# Altium PCB MU_MP_39_V1_ASMB.PcbDoc (part 4 of 15)
Units mm, origin at the board's own origin, x right, y up, seen from the top; angles counter-clockwise.
Board outline 133 x 94 mm, 8 copper layers (Top Layer, GND_1, POWER_1, POWER_2, GND_2, Inner_Layer, GND_3, Bottom Layer), stack 1.468 mm thick; 934 components, 729 nets, 4006 pads, 2645 vias.
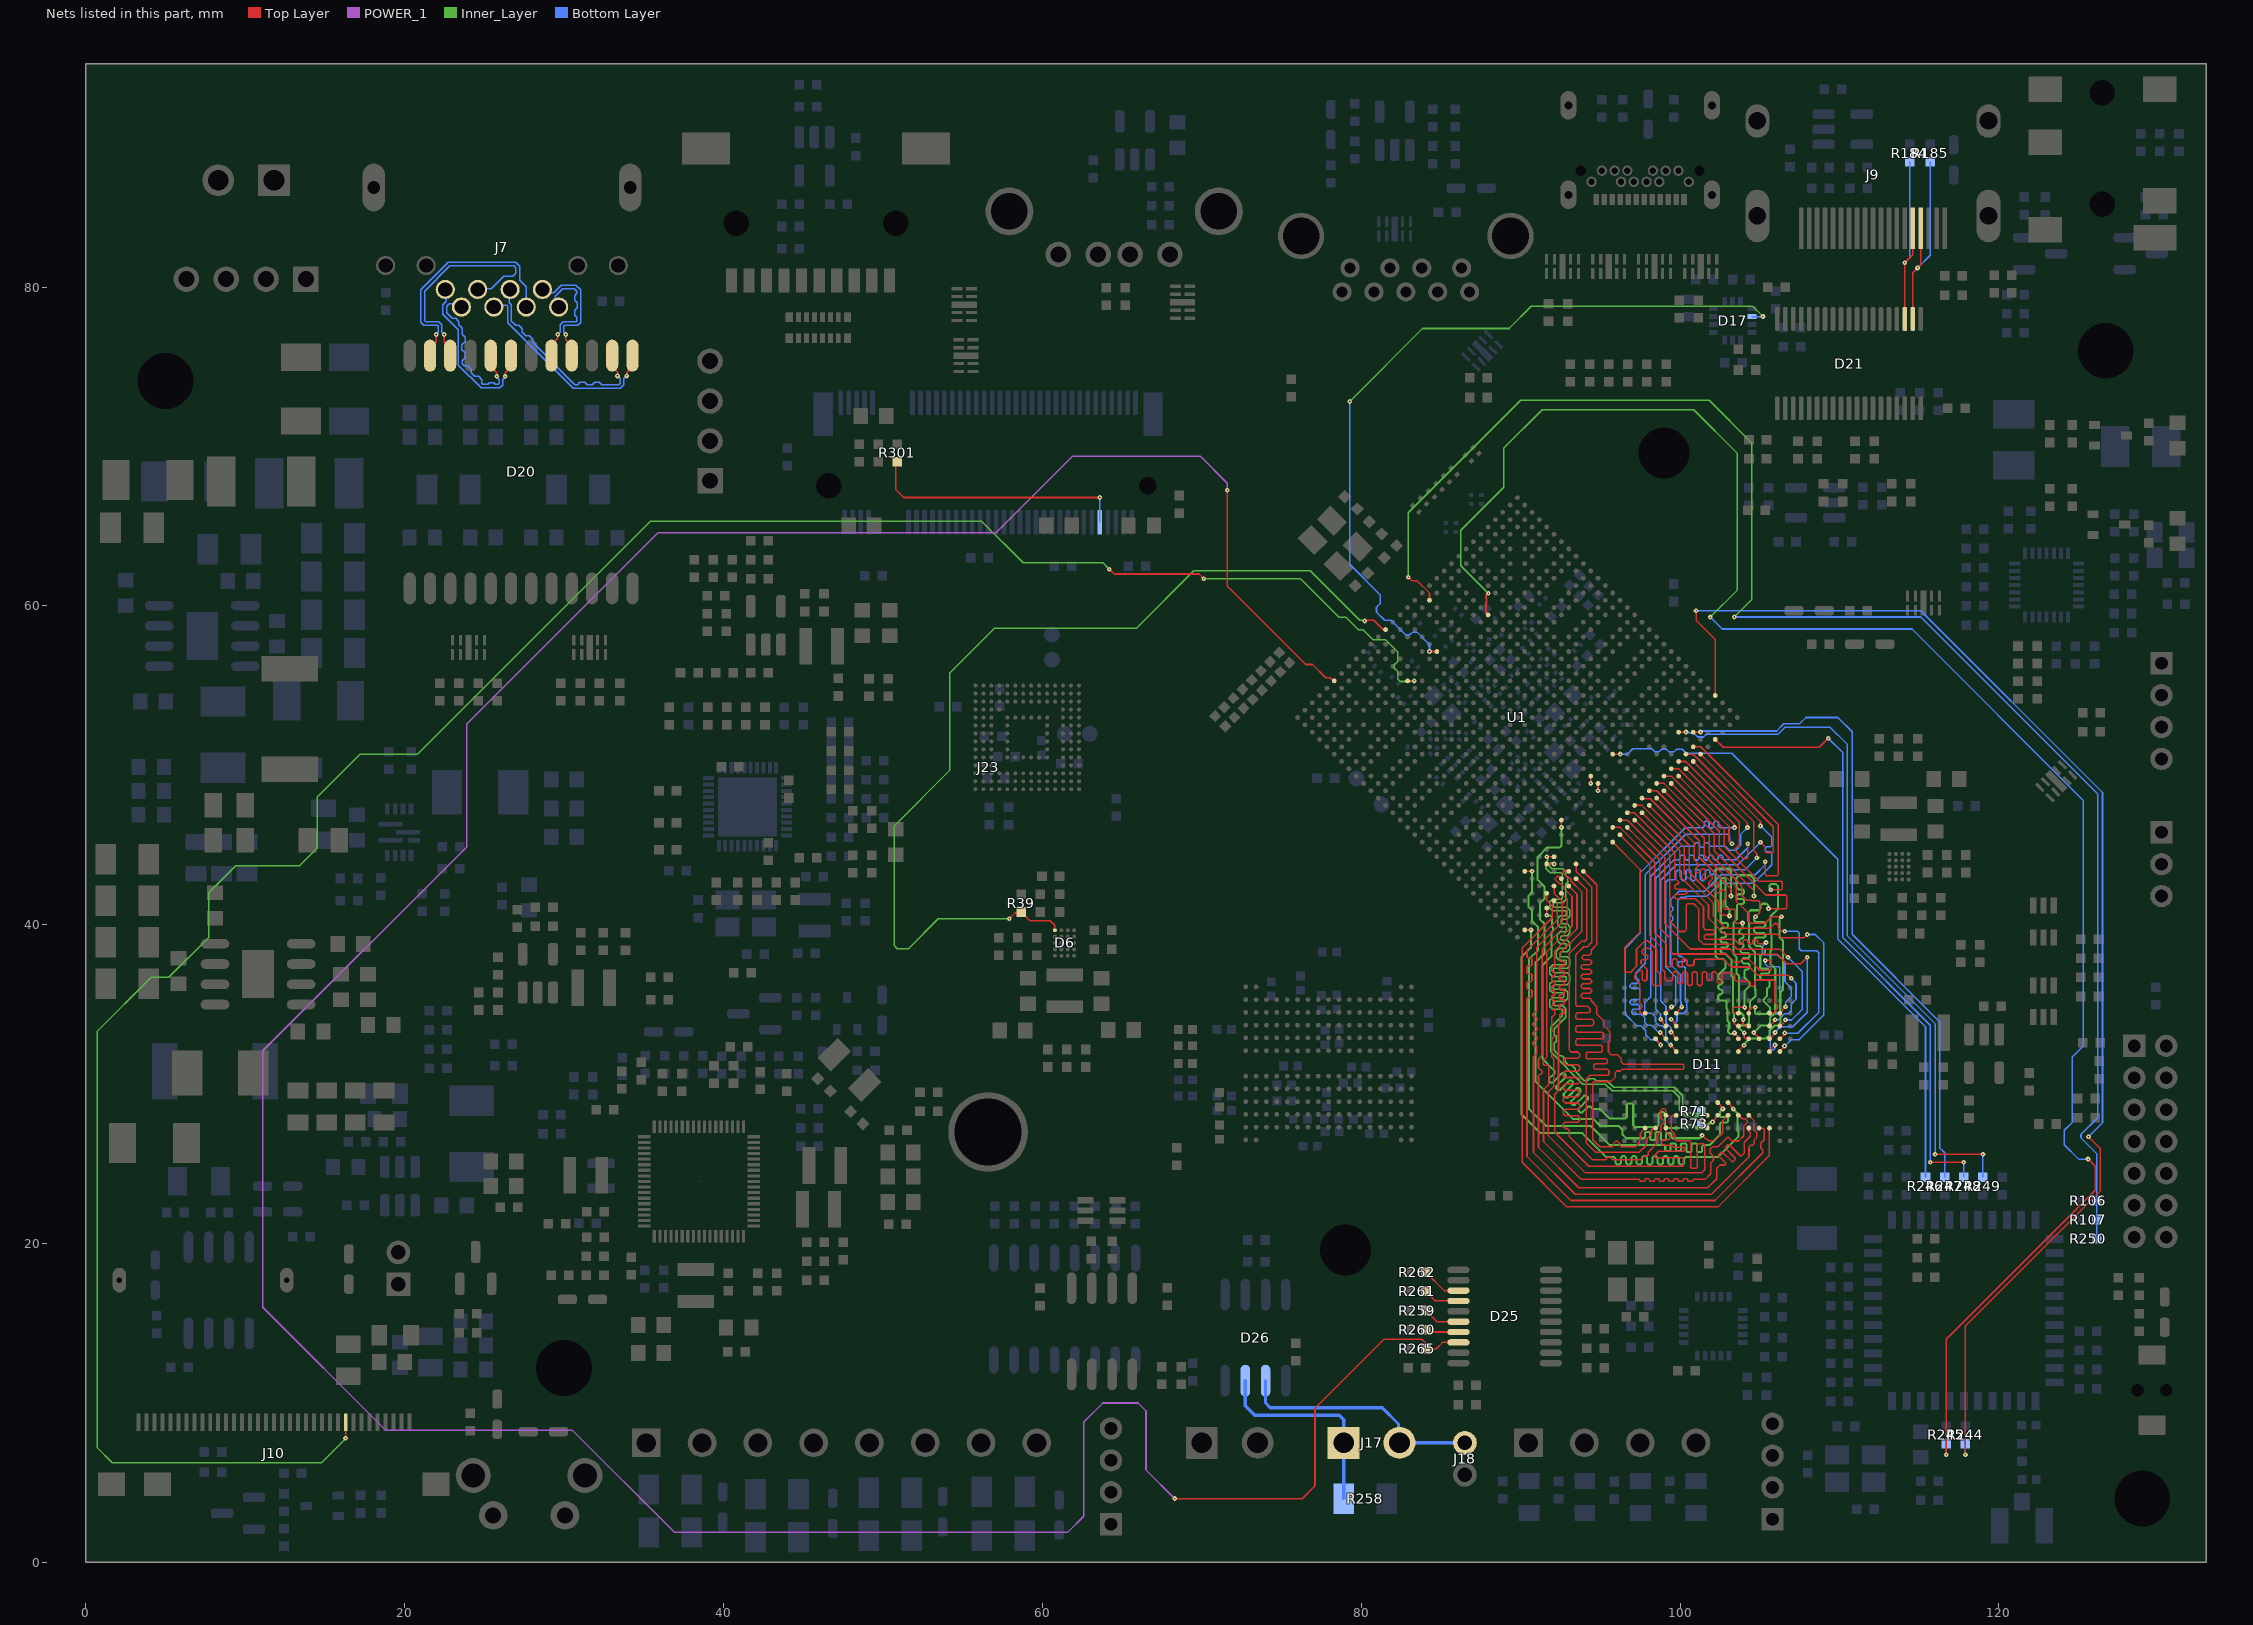
[diagram p10: the nets of this part, all layers, seen from the top]

## Via types
v1: diameter 0.3, hole 0.1, Top Layer to Bottom Layer, tented both sides, 1670 vias
v2: diameter 0.4, hole 0.2, Top Layer to Bottom Layer, tented both sides, 843 vias
v3: diameter 0.6, hole 0.3, Top Layer to Bottom Layer, tented both sides, 132 vias

## Nets (pads, with @x,y where several pads share a name; then routed paths per layer and width w, separated by ;. In a path a pad name is that pad's centre, name@x,y a point inside that pad or via, vN(x,y) a via of type N, cw(c..) or ccw(c..) an arc to the next point about the centre after c; other vN are vias at no path point) (continued)
BL_EN: J10.27 U1.L26 | length 148.9
  Top Layer w0.1: v1(16.288,7.788) 16.3,7.8 J10.27@16.3,8.8 ; U1.L26@82.906,55.298 v1(83.323,55.298)
  Top Layer w0.102: v1(64.2,62.3) 64.5,62 69.825,62 v1(70.125,61.7)
  Inner_Layer w0.1: v1(16.288,7.788) 16.288,7.763 14.775,6.25 1.65,6.25 0.7,7.2 0.7,33.3 4.1,36.7 5.2,36.7 7.7,39.2 7.7,42 9.4,43.7 13.4,43.7 14.5,44.8 14.5,48 17.2,50.7 20.8,50.7 35.4,65.3 56.2,65.3 58.8,62.7 63.8,62.7 v1(64.2,62.3)
  Inner_Layer w0.102: v1(70.125,61.7) 76.191,61.7 78.592,59.299 79.03,59.299 79.83,58.5 80.11,58.5 80.733,57.877 81.525,57.877 82.29,57.112 82.29,56.513 82.078,56.302 82.078,56.094 82.29,55.883 82.29,55.41 82.442,55.258 83.116,55.258 83.127,55.269 83.294,55.269 v1(83.323,55.298)
BT_HOST_WAKE_L: R245.1 U1.AA25 | length 115.6
  Top Layer w0.1: v1(116.7,6.75) 116.7,14 126.05,23.35 126.05,24.85 v1(125.6,25.3)
  Top Layer w0.11: U1.AA25@87.962,59.435 87.962,59.47 87.822,59.609 87.822,60.176 87.862,60.216 87.862,60.468 87.822,60.509 87.822,60.638 87.971,60.788 v1(87.971,60.798)
  Inner_Layer w0.1: v1(87.971,60.798) 86.251,62.518 86.251,64.751 88.95,67.45 88.95,69.9 91.35,72.3 100.854,72.3 103.6,69.554 103.6,61 v1(101.9,59.3)
  Bottom Layer w0.1: v1(101.9,59.3) 102.65,58.55 114.55,58.55 125.3,47.8 125.3,37.7 125.3,32.4 124.6,31.7 124.6,27.6 124.1,27.1 124.1,26.2 125,25.3 v1(125.6,25.3) ; v1(116.7,6.75) R245.1@116.7,7.45
BT_PCM_CLK: R247.1 U1.AG3 | length 41.1
  Top Layer w0.1: U1.AG3@100.831,52.081 101.288,52.081 v1(101.29,52.082)
  Bottom Layer w0.1: v1(101.29,52.082) 101.344,52.082 101.412,52.15 106.05,52.15 106.5,52.6 107.5,52.6 107.9,53 109.9,53 110.8,52.1 110.8,39.4 116.3,33.9 116.3,26 116.6,25.7 116.6,24.7 R247.1@116.6,24.15
BT_PCM_IN: R248.1 U1.AH1 | length 39.8
  Top Layer w0.1: U1.AH1@102.21,51.621 102.706,51.125 108.725,51.125 v1(109.3,51.7) ; v1(115.7,25.1) v1(117.8,25.1)
  Bottom Layer w0.1: v1(109.3,51.7) 110.2,50.8 110.2,39.2 115.7,33.7 v1(115.7,25.1) ; R248.1@117.8,24.15 v1(117.8,25.1)
BT_PCM_OUT: R246.1 U1.Y7 | length 39.6
  Top Layer w0.1: U1.Y7@95.775,50.702 v1(96.244,50.702)
  Bottom Layer w0.1: v1(96.244,50.702) 96.246,50.7 96.7,50.7 97.038,51.037 98.234,51.037 98.408,50.863 98.692,50.863 98.832,51.004 99.134,51.004 99.274,50.863 99.646,50.863 99.787,51.004 100.146,51.004 100.4,50.75 103.25,50.75 109.9,44.1 109.9,39.1 115.4,33.6 R246.1@115.4,24.15
BT_PCM_SYNC: R249.1 U1.AF4 | length 43.9
  Top Layer w0.1: U1.AF4@99.912,52.081 100.369,52.081 v1(100.371,52.082) ; v1(116,25.6) v1(119,25.6)
  Bottom Layer w0.1: v1(100.371,52.082) 100.407,52.046 100.613,52.046 100.631,52.028 100.856,52.028 101.107,51.777 101.472,51.777 101.645,51.95 106.15,51.95 106.6,52.4 109.4,52.4 110.5,51.3 110.5,39.3 116,33.8 v1(116,25.6) ; R249.1@119,24.15 v1(119,25.6)
BT_REG_ON_H: R106.2 R107.1 R250.1 U1.V30 | length 99.4
  Top Layer w0.1: v1(82.95,61.8) 82.975,61.8 83.19,61.585 83.506,61.585 84.285,60.806 U1.V30@84.285,60.354
  Inner_Layer w0.1: v1(82.95,61.8) 82.95,65.85 90,72.9 101.825,72.9 104.5,70.225 104.5,60.4 v1(103.402,59.302)
  Bottom Layer w0.1: v1(103.402,59.302) 115.098,59.302 126.2,48.2 126.2,37.4 126.2,27.9 125.15,26.85 125.15,26.625 126.15,25.625 R106.2@126.15,22.7 R107.1@126.15,21.5 R250.1@126.15,20.3
BT_WAKE_L: R244.1 U1.AL4 | length 82.5
  Top Layer w0.1: v1(101.005,59.7) 101.005,59.095 102.21,57.89 U1.AL4@102.21,54.379 ; v1(117.9,6.75) 117.9,14.825 126.35,23.275 126.35,25.975 v1(125.625,26.7)
  Bottom Layer w0.1: v1(101.005,59.7) 115.1,59.7 126.5,48.3 126.5,27.575 v1(125.625,26.7) ; v1(117.9,6.75) R244.1@117.9,7.45
CAN_CLK: D25.14 R261.2 | length 2.3
  Top Layer w0.1: R261.2@84.05,17 84.65,16.4 D25.14@86.1,16.4
CAN_CS: D25.18 R265.2 U1.F31 | length 212.8
  Top Layer w0.1: v1(68.3,4) 76.3,4 77.1,4.8 77.1,9.675 81.425,14 83.8,14 84.009,13.791 84.009,13.441 R265.2@84.05,13.4 84.7,13.4 85.1,13.8 D25.18@86.1,13.8 ; v1(71.6,67.25) 71.6,61.25 76.525,56.325 76.95,56.325 77.779,55.496 78.052,55.496 78.25,55.298 U1.F31@78.31,55.298
  POWER_1 w0.1: v1(68.3,4) 66.5,5.8 66.5,9.5 66,10 63.8,10 62.6,8.8 62.6,2.9 61.6,1.9 36.9,1.9 30.5,8.3 18.8,8.3 11.1,16 11.1,32.1 23.9,44.9 23.9,52.6 35.9,64.6 57.1,64.6 61.9,69.4 69.9,69.4 71.6,67.7 v1(71.6,67.25)
CAN_H: D26.7 J17.1 R258.1 | length 13.1
  Bottom Layer w0.2: D26.7@72.73,11.4 72.73,9.82 73.325,9.225 78.625,9.225 78.9,8.95 J17.1@78.9,7.5 R258.1@78.9,4
CAN_INT: D25.13 R262.2 | length 2.5
  Top Layer w0.1: R262.2@84.05,18.2 85.2,17.05 D25.13@86.1,17.05
CAN_L: D26.6 J17.2 J18.1 | length 15.6
  Bottom Layer w0.2: D26.6@74,11.4 74,10 74.3,9.7 81.325,9.7 82.342,8.683 82.342,7.558 J17.2@82.4,7.5 J18.1@86.5,7.5
CAN_MISO: D25.17 R260.2 | length 2.1
  Top Layer w0.1: R260.2@84.05,14.6 84.2,14.45 D25.17@86.1,14.45
CAN_MOSI: D25.16 R259.2 | length 2.3
  Top Layer w0.1: R259.2@84.05,15.8 84.75,15.1 D25.16@86.1,15.1
CHG_CC0_INT_L: D17.5 U1.R26 | length 48.7
  Top Layer w0.11: v1@84.288,57.137 U1.R26@84.744,57.137
  Inner_Layer w0.1: v1(79.275,72.825) 83.85,77.4 89.275,77.4 90.675,78.8 104.55,78.8 v1(105.2,78.15)
  Bottom Layer w0.1: v1(79.275,72.825) 79.275,62.611 81.2,60.686 81.2,60.148 80.961,59.909 80.961,59.604 81.469,59.096 81.874,59.096 82.775,58.195 83.053,58.195 83.214,58.356 83.494,58.356 84.287,57.563 v1(84.287,57.137) ; D17.5@104.515,78.15 v1(105.2,78.15)
CPU_B_SLEEP_H: D6.A1 R39.2 U1.N31 | length 61.9
  Top Layer w0.1: v1(57.925,40.375) 58.284,40.734 58.609,40.734 R39.2@58.675,40.8 59.225,40.25 60.5,40.25 60.776,39.974 60.776,39.669 D6.A1@60.786,39.659
  Top Layer w0.11: v1(80.224,59.055) 80.261,59.091 80.379,59.091 80.384,59.096 80.779,59.096 81.32,58.555 81.487,58.555 U1.N31@81.527,58.515
  Inner_Layer w0.1: v1(57.925,40.375) 53.475,40.375 51.6,38.5 50.9,38.5 50.7,38.7 50.7,46.2 54.2,49.7 54.2,55.8 57,58.6 65.9,58.6 69.5,62.2 76.8,62.2 79.904,59.096 80.066,59.096 80.069,59.093 80.186,59.093 v1(80.224,59.055)
DA_N: D20.22 J7.3 | length 14.9
  Top Layer w0.08: v1(22.475,77.025) 22.471,77.021 22.471,76.646 22.468,76.643 22.468,76.576 22.625,76.42 22.855,76.42 D20.22@22.855,75.703
  Bottom Layer w0.08: v1(22.475,77.025) 22.475,77.032 22.325,77.182 22.325,77.465 22.325,77.648 22.143,77.83 21.297,77.83 21.25,77.877 21.25,79.747 22.828,81.325 26.875,81.325 26.975,81.225 26.975,80.875 26.79,80.69 26.215,80.69 25.417,79.892 24.618,79.892 J7.3@24.576,79.85
DA_P: D20.23 J7.6 | length 15.1
  Top Layer w0.08: D20.23@21.585,75.703 21.585,76.36 21.755,76.36 21.972,76.576 21.972,77.022 v1(21.975,77.025)
  Bottom Layer w0.08: v1(21.975,77.025) 21.975,77.062 22.095,77.182 22.095,77.37 22.095,77.553 22.048,77.6 21.202,77.6 21.02,77.782 21.02,79.842 22.733,81.555 26.97,81.555 27.205,81.32 27.205,80.828 27.205,80.441 27.624,80.022 J7.6@27.624,78.75
DAS/DSS: J23.10 R301.2 | length 16.3
  Top Layer w0.1: R301.2@50.9,69.05 50.8,68.95 50.8,67.3 51.3,66.8 v1(63.6,66.8)
  Bottom Layer w0.102: J23.10@63.6,65.25 v1(63.6,66.8)
DB_N: D20.19 J7.1 | length 10.8
  Top Layer w0.08: v1(26.3,74.4) 26.298,74.402 26.298,74.623 26.665,74.99 D20.19@26.665,75.703
  Bottom Layer w0.08: J7.1@22.544,79.85 22.625,79.769 22.602,79.746 22.602,79.102 22.395,78.895 22.395,78.302 23.365,77.332 23.365,77.1 23.365,76.474 23.357,76.466 23.357,75.975 23.365,75.967 23.365,75.109 24.805,73.67 25.973,73.67 26.155,73.852 26.155,74.195 26.3,74.34 v1(26.3,74.4)
DB_P: D20.20 J7.2 | length 10.7
  Top Layer w0.08: D20.20@25.395,75.703 25.395,75.005 25.777,74.623 25.777,74.402 v1(25.775,74.4)
  Bottom Layer w0.08: J7.2@23.56,78.75 23.346,78.964 22.79,78.964 22.625,78.8 22.625,78.398 22.936,78.086 22.986,78.036 23.187,78.036 23.399,77.824 23.399,77.623 23.449,77.574 23.595,77.427 23.595,77.1 23.595,77.051 23.782,76.865 23.782,76.565 23.587,76.37 23.587,76.07 23.782,75.876 23.782,75.576 23.595,75.39 23.595,75.35 23.595,75.205 23.65,75.15 23.731,75.069 23.965,75.069 24.177,74.857 24.177,74.612 24.389,74.399 24.635,74.399 24.847,74.187 24.847,73.953 24.875,73.925 24.9,73.9 25,73.9 25.213,73.9 25.299,73.986 25.599,73.986 25.685,73.9 25.725,73.9 25.878,73.9 25.925,73.947 25.925,74.19 25.775,74.34 v1(25.775,74.4)
DC_N: D20.16 J7.7 | length 8
  Top Layer w0.08: v1(30.1,77.025) 30.1,76.688 30.475,76.313 D20.16@30.475,75.703
  Bottom Layer w0.08: J7.7@28.64,79.85 28.854,79.636 29.336,79.636 29.825,80.125 30.726,80.125 31.03,79.82 31.03,77.777 30.848,77.595 30.045,77.595 29.98,77.53 29.98,77.182 30.1,77.062 v1(30.1,77.025)
DC_P: D20.17 J7.8 | length 7.8
  Top Layer w0.08: D20.17@29.205,75.703 29.205,76.405 29.602,76.802 29.602,77.023 v1(29.6,77.025)
  Bottom Layer w0.08: v1(29.6,77.025) 29.6,77.047 29.75,77.197 29.75,77.625 29.95,77.825 30.753,77.825 30.8,77.872 30.8,77.975 30.8,78.094 30.65,78.244 30.65,78.544 30.808,78.702 30.808,79.002 30.65,79.16 30.65,79.46 30.8,79.61 30.8,79.65 30.8,79.725 30.63,79.895 29.92,79.895 29.448,79.423 29.448,78.971 29.442,78.964 J7.8@29.656,78.75
DD_N: D20.13 J7.4 | length 13.1
  Top Layer w0.08: v1(33.925,74.425) 33.936,74.436 33.936,74.636 34.285,74.985 D20.13@34.285,75.703
  Bottom Layer w0.08: J7.4@25.592,78.75 25.694,78.852 26.385,78.852 26.45,78.787 26.45,77.775 30.58,73.645 33.52,73.645 33.752,73.877 33.752,74.252 v1(33.925,74.425)
DD_P: D20.14 J7.5 | length 13.1
  Top Layer w0.08: D20.14@33.015,75.703 33.015,75 33.365,74.65 33.365,74.44 v1(33.35,74.425)
  Bottom Layer w0.08: J7.5@26.608,79.85 26.548,79.79 26.548,79.015 26.68,78.883 26.68,77.87 26.825,77.725 26.95,77.6 27.162,77.6 27.374,77.388 27.374,77.165 27.586,76.953 27.81,76.953 28.022,76.741 28.022,76.528 28.05,76.5 30.613,73.938 30.675,73.875 30.844,73.875 30.994,74.025 31.294,74.025 31.452,73.867 31.752,73.867 31.91,74.025 32.21,74.025 32.36,73.875 32.4,73.875 33.425,73.875 33.522,73.972 33.522,74.253 v1(33.35,74.425)
DDC_SCL: D21.22 J9.15 R184.1 | length 12.4
  Top Layer w0.1: D21.22@114.1,78 v1(114.1,81.525) 114.6,82.025 J9.15@114.6,83.7
  Bottom Layer w0.1: v1(114.1,81.525) 114.4,81.825 R184.1@114.4,87.85
DDC_SDA: D21.21 J9.16 R185.1 | length 12.9
  Top Layer w0.1: D21.21@114.6,78 114.6,80.9 115.1,81.4 J9.16@115.1,83.7
  Bottom Layer w0.1: v1(114.9,81.2) 115.7,82 R185.1@115.7,87.85
DDR0_A0: D11.R2 U1.F2 | length 37.5
  Top Layer w0.1: U1.F2@91.638,41.969 91.65,41.958 91.65,41.5 91.984,41.166 91.984,40.431 90.1,38.546 90.1,25.094 92.894,22.3 102.375,22.3 105.6,25.525 105.6,27.233 D11.R2@105.613,27.245
DDR0_A1: D11.P2 U1.F1 | length 37.4
  Top Layer w0.1: U1.F1@92.098,41.51 92.098,41.492 92.294,41.296 92.294,40.297 90.401,38.403 90.401,38.353 90.401,38.006 90.476,37.931 90.639,37.931 90.714,37.856 90.714,37.506 90.639,37.431 90.475,37.431 90.4,37.356 90.4,37.006 90.475,36.931 90.639,36.931 90.714,36.856 90.714,36.506 90.639,36.431 90.475,36.431 90.4,36.356 90.4,36.006 90.475,35.931 90.639,35.931 90.714,35.856 90.714,35.506 90.639,35.431 90.475,35.431 90.4,35.356 90.4,35.125 90.4,34.856 90.4,34.806 90.4,25.454 93.026,22.828 93.154,22.7 102.198,22.7 105.192,25.695 105.192,25.873 105.061,26.004 105.061,26.3 105.275,26.514 105.275,27.175 105.205,27.245 D11.P2@104.963,27.245
DDR0_A2: D11.N2 U1.G1 | length 37.4
  Top Layer w0.1: U1.G1@92.558,41.969 92.914,41.613 92.914,40.04 91.35,38.475 91.35,31.823 91.124,31.597 91.124,31.25 91.124,31.005 91.214,30.915 91.268,30.915 91.358,30.825 91.358,30.705 91.268,30.615 91.214,30.615 91.124,30.525 91.124,29.575 91.124,26.026 93.65,23.5 101.725,23.5 102.297,24.072 102.297,24.237 102.3,24.24 102.3,24.726 102.5,24.926 102.795,24.926 102.855,24.987 102.855,25.07 102.429,25.496 102.429,25.579 102.584,25.734 102.666,25.734 103.259,25.141 103.341,25.141 103.471,25.271 103.471,25.354 102.855,25.97 102.855,26.053 102.997,26.195 103.08,26.195 103.771,25.504 103.854,25.504 104.025,25.675 104.025,26.36 104.4,26.735 104.4,26.948 104.32,27.028 104.32,27.238 D11.N2@104.313,27.245
DDR0_A3: D11.N3 U1.G2 | length 37.5
  Top Layer w0.1: U1.G2@92.098,42.429 92.098,41.968 92.594,41.472 92.604,41.462 92.604,40.168 91.014,38.578 91.014,34.775 91.014,34.605 90.924,34.515 90.864,34.515 90.774,34.425 90.774,34.305 90.864,34.215 90.939,34.215 91.029,34.125 91.029,34.005 90.939,33.915 90.864,33.915 90.774,33.825 90.774,33.705 90.864,33.615 90.939,33.615 91.029,33.525 91.029,33.405 90.939,33.315 90.864,33.315 90.774,33.225 90.774,33.105 90.864,33.015 90.939,33.015 91.029,32.925 91.029,32.805 90.939,32.715 90.864,32.715 90.774,32.625 90.774,32.505 90.864,32.415 90.924,32.415 91.014,32.325 91.014,32.275 91.014,31.925 90.809,31.72 90.809,25.716 93.425,23.1 101.975,23.1 104.329,25.454 104.329,26.054 104.441,26.167 104.543,26.167 104.645,26.268 104.645,26.493 104.8,26.649 104.8,26.973 104.634,27.139 104.634,27.724 D11.N3@104.313,28.046
DDR0_A4: D11.M3 U1.H2 | length 37.5
  Top Layer w0.1: U1.H2@92.558,42.888 92.546,42.888 92.399,43.036 92.316,43.036 92.182,42.902 92.182,42.819 92.437,42.564 92.538,42.564 92.693,42.409 92.693,42.307 93.224,41.776 93.224,39.893 91.65,38.318 91.65,31.698 91.424,31.473 91.424,31.246 91.483,31.188 91.717,31.188 91.776,31.129 91.776,29.995 91.434,29.654 91.434,26.401 93.81,24.025 97.096,24.025 97.433,24.025 97.491,23.966 97.491,23.945 97.536,23.9 97.746,23.9 97.791,23.945 97.791,24.009 97.836,24.054 98.046,24.054 98.091,24.009 98.091,23.945 98.136,23.9 98.346,23.9 98.391,23.945 98.391,24.009 98.436,24.054 98.646,24.054 98.691,24.009 98.691,23.945 98.736,23.9 98.946,23.9 98.991,23.945 98.991,24.009 99.036,24.054 99.246,24.054 99.291,24.009 99.291,23.945 99.336,23.9 99.546,23.9 99.591,23.945 99.591,24.009 99.636,24.054 99.846,24.054 99.891,24.009 99.891,23.945 99.936,23.9 100.146,23.9 100.191,23.945 100.191,24.009 100.236,24.054 100.446,24.054 100.491,24.009 100.491,23.945 100.536,23.9 100.746,23.9 100.791,23.945 100.791,23.966 100.85,24.025 100.9,24.025 101.567,24.025 101.925,24.383 101.925,25.051 102.1,25.226 102.1,25.46 101.9,25.66 101.9,25.942 102.034,26.076 102.376,26.076 102.957,26.657 103.04,26.657 103.161,26.537 103.163,26.537 103.264,26.435 103.668,26.435 103.999,26.765 103.999,27.371 104.206,27.579 104.206,27.723 104.096,27.833 103.895,27.833 103.683,28.046 D11.M3@103.663,28.046
DDR0_A5: D11.F3 U1.H1 | length 37.4
  Top Layer w0.1: U1.H1@93.017,42.429 93.508,41.938 93.534,41.912 93.534,39.745 92.137,38.348 92.137,37.596 92.137,37.417 92.078,37.359 91.995,37.359 91.95,37.314 91.95,37.104 91.995,37.059 92.092,37.059 92.137,37.014 92.137,36.804 92.092,36.759 91.995,36.759 91.95,36.714 91.95,36.504 91.995,36.459 92.092,36.459 92.137,36.414 92.137,36.204 92.092,36.159 91.995,36.159 91.95,36.114 91.95,35.904 91.995,35.859 92.092,35.859 92.137,35.814 92.137,35.604 92.092,35.559 91.995,35.559 91.95,35.514 91.95,35.304 91.995,35.259 92.092,35.259 92.137,35.214 92.137,35.004 92.092,34.959 91.995,34.959 91.95,34.914 91.95,34.704 91.995,34.659 92.078,34.659 92.137,34.6 92.137,34.55 92.137,34.375 91.95,34.188 91.95,33.4 92.076,33.274 92.076,32.951 91.95,32.825 91.95,31.699 92.076,31.574 92.076,29.856 91.744,29.525 91.744,26.751 94.042,24.454 101.382,24.454 101.55,24.622 101.55,26.191 101.491,26.25 101.136,26.25 101.078,26.191 101.078,24.784 101.019,24.725 100.73,24.725 100.671,24.784 100.671,26.36 100.594,26.437 100.13,26.437 100.107,26.461 99.757,26.461 99.655,26.562 99.655,26.889 99.438,27.107 99.438,27.919 99.551,28.032 99.749,28.032 D11.F3@99.763,28.046
DDR0_A6: D11.E3 U1.J1 | length 37.4
  Top Layer w0.1: U1.J1@93.477,42.888 93.884,42.481 94.154,42.211 94.154,39.095 94.118,39.059 94.015,38.956 93.815,38.956 93.051,38.192 93.051,32.343 93.051,32.135 93.171,32.015 93.586,32.015 93.706,31.895 93.706,31.735 93.586,31.615 92.796,31.615 92.676,31.495 92.676,31.335 92.796,31.215 93.586,31.215 93.706,31.095 93.706,30.935 93.586,30.815 92.796,30.815 92.676,30.695 92.676,30.535 92.796,30.415 93.586,30.415 93.706,30.295 93.706,30.135 93.586,30.015 92.796,30.015 92.676,29.895 92.676,29.735 92.796,29.615 93.586,29.615 93.706,29.495 93.706,29.335 93.586,29.215 92.796,29.215 92.676,29.095 92.676,28.935 92.796,28.815 93.586,28.815 93.706,28.695 93.706,28.535 93.586,28.415 92.796,28.415 92.676,28.295 92.676,28.135 92.796,28.015 93.586,28.015 93.706,27.895 93.706,27.735 93.586,27.615 92.796,27.615 92.676,27.495 92.676,27.335 92.796,27.215 92.931,27.215 93.051,27.095 93.051,27.045 93.051,26.715 94.499,25.267 95.153,25.267 95.34,25.267 95.398,25.325 95.398,25.38 95.443,25.425 95.653,25.425 95.698,25.38 95.698,25.325 95.757,25.267 96.107,25.267 97.532,25.267 97.739,25.473 97.896,25.473 97.998,25.575 97.998,25.723 98.55,26.275 98.55,26.654 98.639,26.743 98.639,26.918 98.796,27.074 98.796,27.375 99.012,27.592 99.012,27.688 98.775,27.925 98.775,28.324 98.897,28.447 99.041,28.447 99.113,28.375 D11.E3@99.113,28.046
DDR0_A7: D11.E2 U1.J2 | length 37.5
  Top Layer w0.1: 92.142,29.362 92.376,29.596 92.376,33.751 92.449,33.825 92.449,34 92.449,34.35 92.508,34.409 92.697,34.409 92.742,34.454 92.742,34.664 92.697,34.709 92.482,34.709 92.437,34.754 92.437,34.964 92.482,35.009 92.697,35.009 92.742,35.054 92.742,35.264 92.697,35.309 92.482,35.309 92.437,35.354 92.437,35.564 92.482,35.609 92.697,35.609 92.742,35.654 92.742,35.864 92.697,35.909 92.482,35.909 92.437,35.954 92.437,36.164 92.482,36.209 92.697,36.209 92.742,36.254 92.742,36.464 92.697,36.509 92.482,36.509 92.437,36.554 92.437,36.764 92.482,36.809 92.697,36.809 92.742,36.854 92.742,37.064 92.697,37.109 92.482,37.109 92.437,37.154 92.437,37.364 92.482,37.409 92.697,37.409 92.742,37.454 92.742,37.664 92.697,37.709 92.508,37.709 92.449,37.767 92.449,37.875 92.449,38.203 93.844,39.598 93.844,42.054 93.14,42.758 93.14,42.882 93.059,42.963 92.936,42.963 92.666,43.233 92.666,43.316 92.776,43.426 92.885,43.426 92.963,43.348 U1.J2@93.017,43.348 ; 92.144,29.359 92.144,26.981 94.275,24.85 100.141,24.85 100.2,24.909 100.2,25.335 100.141,25.394 98.469,25.394 98.41,25.452 98.41,25.535 98.667,25.792 100.213,25.792 100.271,25.85 100.271,25.979 100.213,26.037 99.614,26.037 99.496,26.156 98.909,26.156 98.85,26.214 98.85,26.441 98.909,26.5 99.291,26.5 99.35,26.559 99.35,26.756 99.113,26.993 D11.E2@99.113,27.245
DDR0_A8: D11.D2 U1.K2 | length 37.5
  Top Layer w0.1: U1.K2@93.477,43.808 93.477,43.355 93.969,42.863 93.972,42.863 94.464,42.37 94.464,38.897 94.192,38.625 93.967,38.625 93.538,38.195 93.458,38.116 93.458,34.979 93.559,34.877 94.207,34.877 94.372,34.712 94.372,34.573 94.27,34.471 93.559,34.471 93.458,34.369 93.458,34.166 93.559,34.065 94.474,34.065 94.575,33.963 94.575,33.76 94.474,33.658 93.559,33.658 93.458,33.557 93.458,33.353 93.559,33.252 95.135,33.252 95.199,33.187 95.199,32.91 95.135,32.845 93.559,32.845 93.458,32.744 93.458,32.541 93.559,32.439 95.054,32.439 95.112,32.38 95.112,32.056 95.054,31.998 94.184,31.998 94.125,31.939 94.125,31.65 94.184,31.591 95.363,31.591 95.425,31.529 95.425,31.349 95.363,31.287 94.677,31.287 94.575,31.185 94.575,31.024 94.677,30.922 95.477,30.922 95.547,30.853 95.547,30.624 95.488,30.565 94.362,30.565 94.118,30.321 94.118,26.308 94.701,25.725 97.425,25.725 97.843,26.143 97.843,26.325 97.922,26.403 97.922,26.591 98.213,26.882 98.213,27.154 98.273,27.215 98.37,27.215 98.401,27.245 D11.D2@98.463,27.245
DDR0_A9: D11.C2 U1.K1 | length 37.5
  Top Layer w0.1: U1.K1@93.937,43.348 94.778,42.506 94.778,38.754 94.489,38.465 94.424,38.4 94.424,38.188 94.334,38.098 93.954,38.098 93.864,38.008 93.864,37.888 93.954,37.798 94.357,37.798 94.447,37.708 94.447,37.588 94.357,37.498 93.89,37.498 93.8,37.408 93.8,37.288 93.89,37.198 94.357,37.198 94.447,37.108 94.447,36.988 94.357,36.898 93.89,36.898 93.8,36.808 93.8,36.688 93.89,36.598 94.357,36.598 94.447,36.508 94.447,36.388 94.357,36.298 93.89,36.298 93.8,36.208 93.8,36.088 93.89,35.998 94.357,35.998 94.447,35.908 94.447,35.788 94.357,35.698 93.89,35.698 93.8,35.608 93.8,35.488 93.89,35.398 94.334,35.398 94.424,35.308 94.424,35.258 94.424,35.226 94.778,34.872 94.778,34.397 95.224,33.951 95.224,33.676 95.599,33.301 95.599,32.744 95.512,32.657 95.512,32.007 95.674,31.845 96.076,31.845 96.302,31.619 96.302,31.402 96.454,31.25 100.166,31.25 100.225,31.191 100.225,30.981 100.166,30.922 96.353,30.922 96.256,30.825 96.044,30.825 95.947,30.728 95.947,30.447 95.665,30.165 94.622,30.165 94.524,30.067 94.524,26.511 94.956,26.08 95.756,26.08 95.854,26.178 95.854,26.305 95.956,26.406 96.099,26.406 96.201,26.305 96.201,26.181 96.302,26.08 97.205,26.08 97.443,26.318 97.443,26.49 97.522,26.569 97.522,26.922 97.64,27.04 97.64,27.087 97.798,27.245 D11.C2@97.813,27.245